# Altium PCB Core429IBaseBoardVerE.PcbDoc (part 1 of 2) (continued)
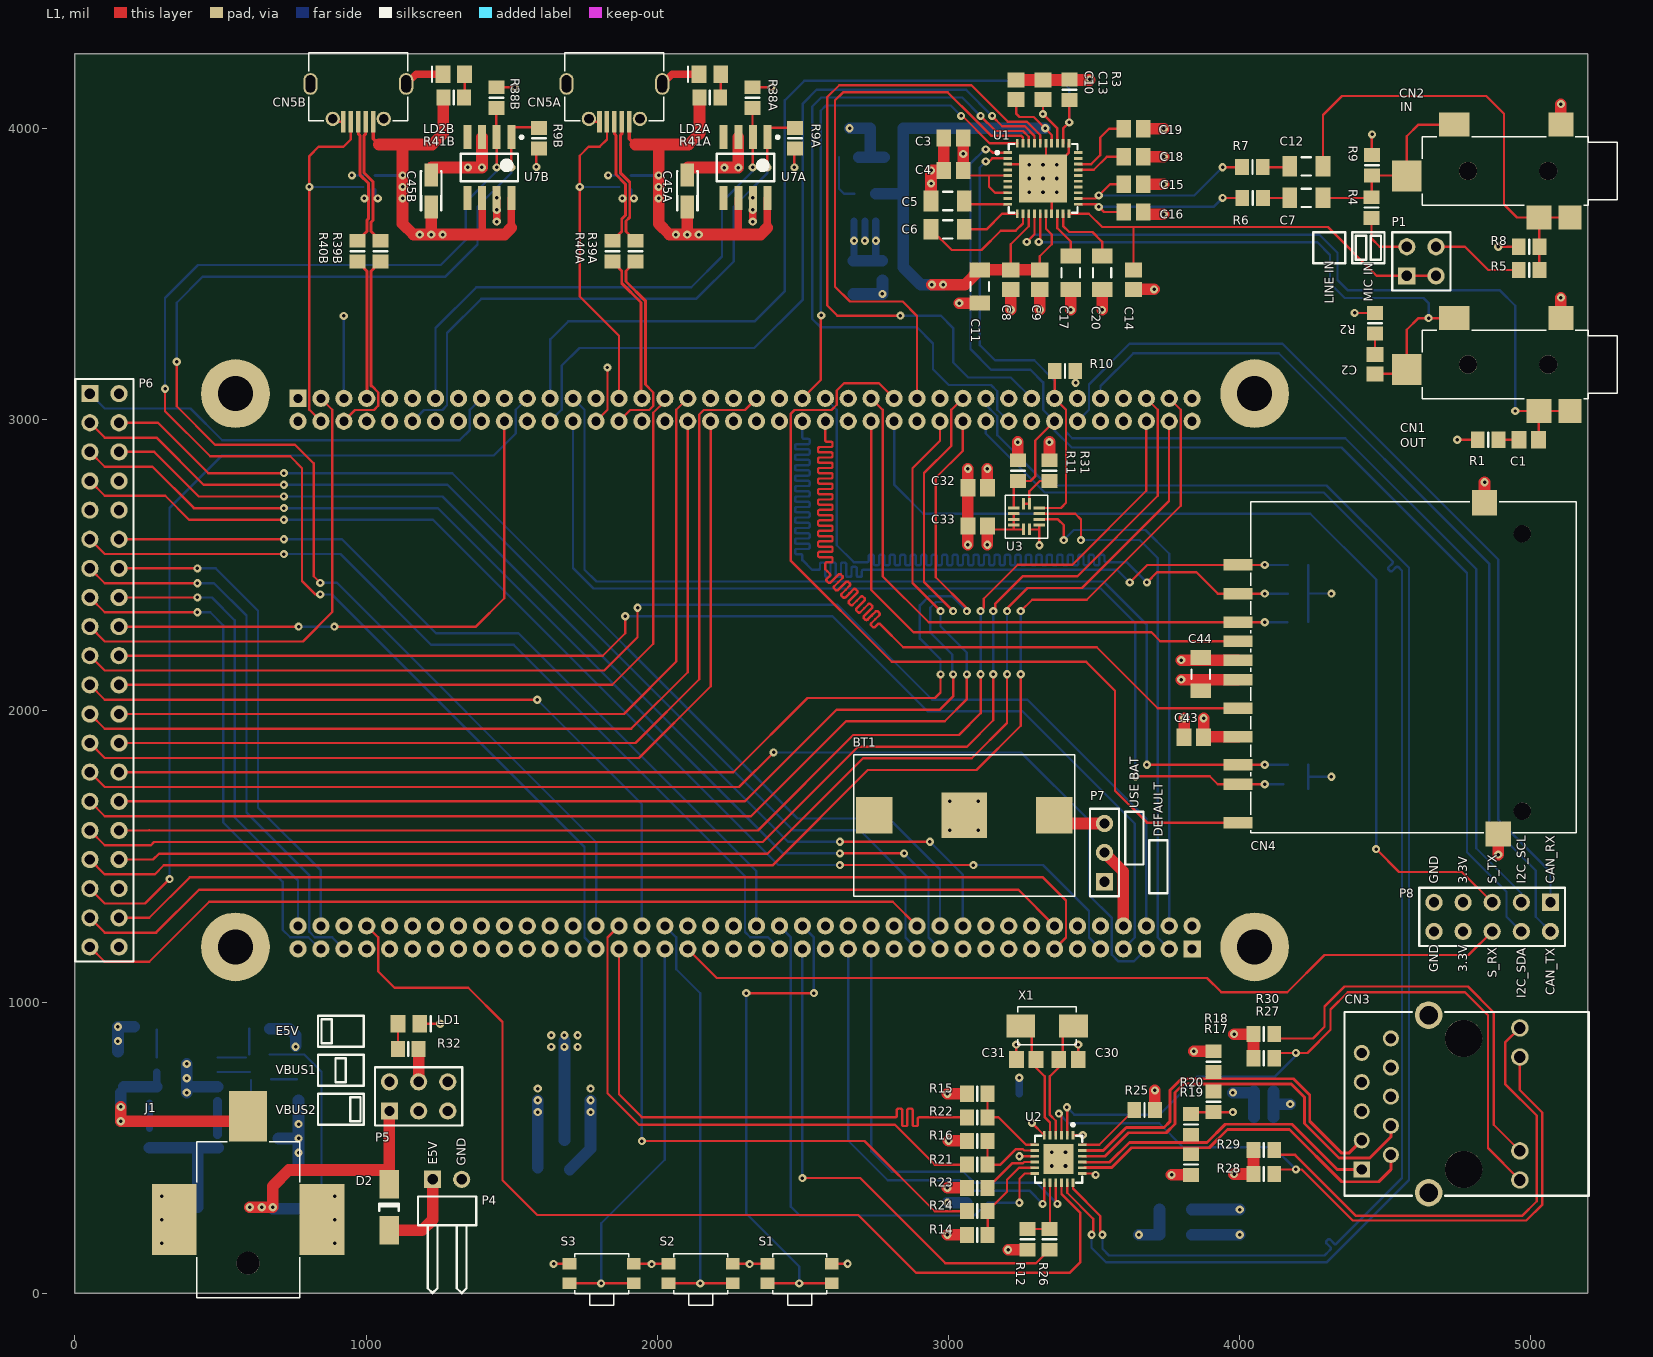
[diagram p0: L1 view]
## Components (designator, comment, footprint, x,y, rotation, side; value= is the part's Value field where it differs from the comment) (continued)
R13 "1206" RESC2012N 3098.42,311.02 r180 bottom
R14 "1206" RESC2012N 3098.43,200.79 r180 top
R15 "1206" RESC2012N 3098.43,685.04 r180 top
R16 "1206" RESC2012N 3098.43,523.62 r180 top
R17 "1206" RESC2012N 3909.45,657.48 r270 top
R18 "1206" RESC2012N 3909.45,795.28 r90 top
R19 "1206" RESC2012N 3832.68,441.93 r270 top
R20 "1206" RESC2012N 3832.68,579.72 r90 top
R21 "1206" RESC2012N 3098.66,441.73 r180 top
R22 "1206" RESC2012N 3098.66,604.21 r180 top
R23 "1206" RESC2012N 3098.66,361.73 r180 top
R24 "1206" RESC2012N 3098.66,281.73 r180 top
R25 "1206" RESC2012N 3673.23,629.92 r180 top
R26 "1206" RESC2012N 3346.46,185.04 r270 top
R27 "1206" RESC2012N 4082.68,807.09 r0 top
R28 "1206" RESC2012N 4082.68,409.45 r0 top
R29 "1206" RESC2012N 4082.68,492.13 r0 top
R30 "1206" RESC2012N 4082.68,889.76 r0 top
R31 "1206" RESC2012N 3346.46,2824.8 r270 top
R32 "1206" RESC2012N 1144.65,838.59 r0 top
R33 "1206" RESC2012N 4200.31,1733.06 r0 bottom
R34 "1206" RESC2012N 4200.31,1815.1 r0 bottom
R35 "1206" RESC2012N 4200.31,2304.95 r0 bottom
R36 "1206" RESC2012N 4200.31,2402.74 r0 bottom
R37 "1206" RESC2012N 4200.31,2500.54 r0 bottom
R38A "1206" RESC2012N 2326.82,4105.73 r270 top (schematic designator R38)
R38B "1206" RESC2012N 1447.29,4105.73 r270 top (schematic designator R38)
R39A "1206" RESC2012N 1925.3,3578.73 r270 top (schematic designator R39)
R39B "1206" RESC2012N 1049.83,3578.73 r270 top (schematic designator R39)
R40A "1206" RESC2012N 1845.3,3578.73 r270 top (schematic designator R40)
R40B "1206" RESC2012N 969.83,3578.73 r270 top (schematic designator R40)
R41A "1206" RESC2012N 2180.22,4106.52 r180 top (schematic designator R41)
R41B "1206" RESC2012N 1300.69,4106.52 r180 top (schematic designator R41)
R42 "Res" RESC2012N 633.47,820.05 r0 bottom
R43 "Res" RESC2012N 633.47,731.3 r180 bottom
R44 "Res" RESC2012N 633.47,908.8 r180 bottom
S1 "434331045822" 434331045822 2488.9,67.4 r0 top locked
S2 "434331045822" 434331045822 2148.9,67.4 r0 top locked
S3 "434331045822" 434331045822 1808.9,67.4 r0 top locked
U1 "CS42L52" QFN50P600X600X100-40M 3324.65,3828.43 r0 top
U2 "LAN8742" QFN50P400X400X100-24M 3377.95,460.63 r270 top
U3 "LIS2DH12" LGA12C50P4X4_200X200X100 3267.72,2667.32 r270 top
U4 "TPS54331" SOIC127P600X173-8M 385.28,734.54 r0 bottom
U5 "LD3985M25R" SOT95P280X145-5M 2713.07,3728.66 r90 bottom
U6 "LD1117S33TR" SOT230P700X181-4M 1680,765.04 r90 bottom
U7A "MIC2025" SOIC127P600X173-8M 2302.88,3865.73 r270 top (schematic designator U7)
U7B "MIC2025" SOIC127P600X173-8M 1423.36,3865.73 r270 top (schematic designator U7)
X1 "25MHz" QC5CB 3338.7,918.07 r180 top

## Footprints (in the part's own frame and the unit in brackets; to place one, negate y for a bottom-side part, rotate by r counter-clockwise, add the part's x,y. Pads: shape width x height; smd on the part's side, far side on the other; paste and mask are expansions set on the pad)
35RASMT4BHNTRX [mm] "3.5mm Phone Jack Surface Mount, RoHS"
  rect 2.7x2.1 smd: 1(2.975,-4.05)
  rect 2.6x2.7 smd: 1(7.125,0.45)
  rect 2x2.1 smd: 2(-7.125,4.05)
  rect 2.2x2.1 smd: 2(-4.425,4.05) 3(-6.325,-4.05)
  round 1.6 hole 1.6: ""(-5.225,0) ""(1.775,0)
  silkscreen extent -11.22,-3 5.78,3, body extent -11.22,-4.5 7.78,4.5, height 5.07
10067847 [mm] "SD Card Reader"
  rect 1x2.5 smd: 1(9.025,12.65) 2(6.525,12.65) 3(4.025,12.65) 4(-0.975,12.65) 5(-3.475,12.65) 6(-5.975,12.65) 6(0.725,12.65) 7(-8.4,12.65) 8(-10.1,12.65) 9(2.375,12.65) 10(-13.45,12.65)
  rect 2.2x2.2 smd: 6(-14.45,-10.05) 6(14.45,-8.85)
  round 1.5 hole 1.5: ""(-12.45,-12.15) ""(11.75,-12.15)
  silkscreen extent -14.35,-16.85 14.55,11.55, body extent -14.25,-17.8 14.2,12.45, height 2.92
7499110122 [mm] "LAN Transformer, body 21.3x16.04mm"
  rect 1.4x1.4 hole 0.9: 1(-5.715,9.14)
  round 1.4 hole 0.9: 2(-4.445,6.6) 3(-3.175,9.14) 4(-1.905,6.6) 5(-0.635,9.14) 6(0.635,6.6) 7(1.905,9.14) 8(3.175,6.6) 9(4.445,9.14) 10(5.715,6.6)
  round 1.52 hole 1.02: 11(-6.63,-4.65) 12(-4.09,-4.65) 13(4.09,-4.65) 14(6.63,-4.65)
  round 3.25 hole 3.25 unplated: MH1(-5.715,0.25) MH2(5.715,0.25)
  round 2.4 hole 1.6: S1(-7.745,3.3) S2(7.745,3.3)
  silkscreen extent -8.02,-10.65 8.02,10.65, body extent -8.22,-10.65 8.22,10.65, height 13.7
434331045822 [mm] "4.7*3.5mm side push type,SMD, height 1.65mm, black actuator, 220gf, T&R"
  rect 1.2x1 smd: 1(-2.8,0.85) 1(2.8,0.85) 2(-2.8,-0.85) 2(2.8,-0.85)
  silkscreen extent -2.35,-2.75 2.35,1.75, body extent -3.2,-2.75 3.2,1.75, height 1.65
CAPC2012N [mm] "Chip Capacitor, Body 2.0x1.3mm, IPC Medium Density"
  rect 1.3x1.5 smd: 1(-0.85,0) 2(0.85,0)
  body extent -1,-0.63 1,0.63, height 0.78
CAPC3216N [mm] "Chip Capacitor, Body 3.2x1.6mm, IPC Medium Density"
  rect 1.3x1.8 smd: 1(-1.45,0) 2(1.45,0)
  silkscreen extent -0.4,-0.8 0.4,0.8, body extent -1.6,-0.82 1.6,0.78, height 1
CD-DO214AC [mm] "Chip Diode; Body 5.0 x 2.5 mm (LxW typ)"
  rect 2.5x1.7 smd: 1(0,0) 2(4,0)
  silkscreen extent 1.7,-0.85 2.3,0.85, body extent -0.75,-1.4 4.75,1.4, height 2.6
CH-061D25 [mm] "DC Power Socket"
  rect 4.4x3.3 smd: 1(6.4,0)
  rect 6.2x3.9 smd: 2(-2.6,6.45) 3(-2.6,-6.45)
  round 2 hole 2: ""(-6.4,0)
  silkscreen extent -9.4,-4.5 4.2,4.5, body extent -9.3,-7.63 7.6,7.57, height 11.09
CLED2012-0805 [mm] "Chip LED; Body 2.0 x 1.3 mm (LxW typ)"
  rect 1.3x1.5 smd: 1(-0.95,0) 2(0.95,0)
  silkscreen extent 1.9,-0.65 1.9,0.65, body extent -1.06,-0.45 1.01,0.46, height 0.86
HDR1X2H [mm] "Connector; Header; 2 Position; Right Angle"
  rect 1.5x1.5 hole 0.9: 1(0,0)
  round 1.5 hole 0.9: 2(2.54,0)
  silkscreen extent -1.27,-9.92 3.81,-1.5, body extent -1.27,-10.04 3.81,0.32, height 2.56
HDR1X3 [mm] "Connector; Header; 3 Position"
  rect 1.5x1.5 hole 0.9: 1(0,0)
  round 1.5 hole 0.9: 2(2.54,0) 3(5.08,0)
  silkscreen extent -1.27,-1.27 6.35,1.27, body extent -1.27,-1.27 6.35,1.27, height 8.56
HDR2X2 [mm] "Connector; Header; 2x2 Position"
  rect 1.5x1.5 hole 0.9: 1(0,0)
  round 1.5 hole 0.9: 2(0,2.54) 3(2.54,0) 4(2.54,2.54)
  silkscreen extent -1.27,-1.27 3.81,3.81, body extent -1.27,-1.27 3.81,3.81, height 8.56
HDR2X3 [mm] "Connector; Header; 3x2 Position"
  rect 1.5x1.5 hole 0.9: 1(0,0)
  round 1.5 hole 0.9: 2(0,2.54) 3(2.54,0) 4(2.54,2.54) 5(5.08,0) 6(5.08,2.54)
  silkscreen extent -1.27,-1.27 6.35,3.81, body extent -1.27,-1.27 6.35,3.81, height 8.56
HDR2X5 [mm] "Connector; Header; 5x2 Position"
  rect 1.5x1.5 hole 0.9: 1(0,0)
  round 1.5 hole 0.9: 2(0,2.54) 3(2.54,0) 4(2.54,2.54) 5(5.08,0) 6(5.08,2.54) 7(7.62,0) 8(7.62,2.54) 9(10.16,0) 10(10.16,2.54)
  silkscreen extent -1.27,-1.27 11.43,3.81, body extent -1.27,-1.27 11.43,3.81, height 8.56
HDR2X20 [mm] "Connector; Header; 20x2 Position"
  rect 1.5x1.5 hole 0.9: 1(0,0)
  round 1.5 hole 0.9: 2(0,2.54) 3(2.54,0) 4(2.54,2.54) 5(5.08,0) 6(5.08,2.54) 7(7.62,0) 8(7.62,2.54) 9(10.16,0) 10(10.16,2.54) 11(12.7,0) 12(12.7,2.54) 13(15.24,0) 14(15.24,2.54) 15(17.78,0) 16(17.78,2.54) 17(20.32,0) 18(20.32,2.54) 19(22.86,0) 20(22.86,2.54) 21(25.4,0) 22(25.4,2.54) 23(27.94,0) 24(27.94,2.54) 25(30.48,0) 26(30.48,2.54) 27(33.02,0) 28(33.02,2.54) 29(35.56,0) 30(35.56,2.54) 31(38.1,0) 32(38.1,2.54) 33(40.64,0) 34(40.64,2.54) 35(43.18,0) 36(43.18,2.54) 37(45.72,0) 38(45.72,2.54) 39(48.26,0) 40(48.26,2.54)
  silkscreen extent -1.27,-1.27 49.53,3.81, body extent -1.39,-1.23 49.66,3.77, height 8.52
INDC2012N [mm] "Chip Inductor, Body 2.0x1.2mm, IPC Medium Density"
  rect 1.4x1.5 smd: 1(-0.9,0) 2(0.9,0)
  body extent -1,-0.65 1,0.6, height 0.78
INDP6560X45M [mm] "Precision Wire Wound Inductor, 2-Leads, Body 6,50x6,00mm, IPC Low Density"
  rect 3.1x3.25 smd: 1(-2.8,0) 2(2.8,0)
  silkscreen extent -3.45,-3.2 3.45,3.2, body extent -3.35,-3 3.35,3, height 4.6
LGA12C50P4X4_200X200X100 [mm] "LGA, 12-Leads, Body 2,00x2,00mmx1,00mm, Pitch 0,50mm"
  rect 0.25x1 smd: 1(-0.75,1.125) 4(-0.75,-1.125) 5(-0.25,-1.125) 6(0.25,-1.125) 7(0.75,-1.125) 10(0.75,1.125) 11(0.25,1.125) 12(-0.25,1.125)
  rect 1x0.25 smd: 2(-1.125,0.25) 3(-1.125,-0.25) 8(1.125,-0.25) 9(1.125,0.25)
  silkscreen extent -1.88,-1.88 1.88,1.88, body extent -1.07,-1.07 1.07,1.07, height 1
PN3000 [mm] "12mm SM Coin Cell Clip"
  rect 3.18x3.18 smd: 1(0,0) 1(15.74,0)
  rect 3.96x3.96 smd: 2(7.87,0)
  silkscreen extent -1.75,-7.07 17.5,5.28, body extent -1.6,-6.92 17.35,5.14, height 3.19
QC5CB [mm] "3.2x5.0 2-Pad SMD All Ceramic Crystal Unit"
  rect 2.5x2 smd: 1(-2.3,0) 2(2.3,0)
  silkscreen extent -2.55,-1.65 2.55,1.65, body extent -2.5,-1.6 2.5,1.6, height 1.32
QFN50P400X400X100-24M [mm] "QFN, 24-Leads, Body 4,1x4,1mm (max), Pitch 0,50mm, IPC Low Density"
  rect 0.75x0.25 smd: 1(-2.075,1.25) 2(-2.075,0.75) 3(-2.075,0.25) 4(-2.075,-0.25) 5(-2.075,-0.75) 6(-2.075,-1.25) 13(2.075,-1.25) 14(2.075,-0.75) 15(2.075,-0.25) 16(2.075,0.25) 17(2.075,0.75) 18(2.075,1.25)
  rect 0.25x0.75 smd: 7(-1.25,-2.075) 8(-0.75,-2.075) 9(-0.25,-2.075) 10(0.25,-2.075) 11(0.75,-2.075) 12(1.25,-2.075) 19(1.25,2.075) 20(0.75,2.075) 21(0.25,2.075) 22(-0.25,2.075) 23(-0.75,2.075) 24(-1.25,2.075)
  rect 2.6x2.6 smd: 25(0,0)
  silkscreen extent -3.12,-2.05 2.05,2.05, body extent -2.01,-2.01 2.01,2.01, height 1
QFN50P600X600X100-40M [mm] "QFN, 40-Leads, Body 6,0x6,0mm (max), Pitch 0,50mm, IPC Low Density"
  rect 0.75x0.25 smd: 1(-3.075,2.25) 2(-3.075,1.75) 3(-3.075,1.25) 4(-3.075,0.75) 5(-3.075,0.25) 6(-3.075,-0.25) 7(-3.075,-0.75) 8(-3.075,-1.25) 9(-3.075,-1.75) 10(-3.075,-2.25) 21(3.075,-2.25) 22(3.075,-1.75) 23(3.075,-1.25) 24(3.075,-0.75) 25(3.075,-0.25) 26(3.075,0.25) 27(3.075,0.75) 28(3.075,1.25) 29(3.075,1.75) 30(3.075,2.25)
  rect 0.25x0.75 smd: 11(-2.25,-3.075) 12(-1.75,-3.075) 13(-1.25,-3.075) 14(-0.75,-3.075) 15(-0.25,-3.075) 16(0.25,-3.075) 17(0.75,-3.075) 18(1.25,-3.075) 19(1.75,-3.075) 20(2.25,-3.075) 31(2.25,3.075) 32(1.75,3.075) 33(1.25,3.075) 34(0.75,3.075) 35(0.25,3.075) 36(-0.25,3.075) 37(-0.75,3.075) 38(-1.25,3.075) 39(-1.75,3.075) 40(-2.25,3.075)
  rect 4.2x4.2 smd: 41(0,0)
  silkscreen extent -4.12,-3 3,3, body extent -3.08,-3.09 3.08,3.07, height 1.07
RESC2012N [mm] "Chip Resistor, Body 2.0x1.3mm, IPC Medium Density"
  rect 1.2x1.4 smd: 1(-0.9,0) 2(0.9,0)
  silkscreen extent 0,-0.6 0,0.6, body extent -0.97,-0.62 1.03,0.63, height 0.62
SHDR2X40 [mm] "Connector; Header; 40x2 Position"
  rect 1.5x1.5 hole 0.79: 1(0,0)
  round 1.5 hole 0.79: 2(0,2) 3(2,0) 4(2,2) 5(4,0) 6(4,2) 7(6,0) 8(6,2) 9(8,0) 10(8,2) 11(10,0) 12(10,2) 13(12,0) 14(12,2) 15(14,0) 16(14,2) 17(16,0) 18(16,2) 19(18,0) 20(18,2) 21(20,0) 22(20,2) 23(22,0) 24(22,2) 25(24,0) 26(24,2) 27(26,0) 28(26,2) 29(28,0) 30(28,2) 31(30,0) 32(30,2) 33(32,0) 34(32,2) 35(34,0) 36(34,2) 37(36,0) 38(36,2) 39(38,0) 40(38,2) 41(40,0) 42(40,2) 43(42,0) 44(42,2) 45(44,0) 46(44,2) 47(46,0) 48(46,2) 49(48,0) 50(48,2) 51(50,0) 52(50,2) 53(52,0) 54(52,2) 55(54,0) 56(54,2) 57(56,0) 58(56,2) 59(58,0) 60(58,2) 61(60,0) 62(60,2) 63(62,0) 64(62,2) 65(64,0) 66(64,2) 67(66,0) 68(66,2) 69(68,0) 70(68,2) 71(70,0) 72(70,2) 73(72,0) 74(72,2) 75(74,0) 76(74,2) 77(76,0) 78(76,2) 79(78,0) 80(78,2)
  silkscreen extent -0.92,-0.92 78.92,2.92, body extent -1.25,-1.23 79.25,3.27, height 4.02
SOIC127P600X173-8M [mm] "SOIC, 8-Leads, Body 5,0x4,0mm (max), Pitch 1,27mm, IPC Low Density"
  rect 2.1x0.7 smd: 1(-2.65,1.905) 2(-2.65,0.635) 3(-2.65,-0.635) 4(-2.65,-1.905) 5(2.65,-1.905) 6(2.65,-0.635) 7(2.65,0.635) 8(2.65,1.905)
  silkscreen extent -2.77,-2.5 1.2,2.93, body extent -3.02,-2.53 3.06,2.46, height 1.75
SON50P100X60-6M [mm] "SON, 6-Leads, Body 1,45x1,00mm, Pitch 0,50mm, IPC Low Density"
  rect 0.85x0.2 smd: 1(-0.49,0.5) 2(-0.49,0) 3(-0.49,-0.5) 4(0.49,-0.5) 5(0.49,0) 6(0.49,0.5)
  silkscreen extent -0.97,-0.9 0.53,0.95, body extent -0.58,-0.75 0.57,0.75, height 0.6
SOT95P280X145-5M [mm] "SOT23, 5-Leads, Body 3,0x3,0mm (max), Pitch 0,95mm, IPC Low Density"
  rect 1.3x0.7 smd: 1(-1.2,0.95) 2(-1.2,0) 3(-1.2,-0.95) 4(1.2,-0.95) 5(1.2,0.95)
  silkscreen extent -1.32,-1.5 0.15,1.98, body extent -1.48,-1.49 1.52,1.51, height 1.45
SOT230P700X181-4M [mm] "SOT223, 4-Leads, Body 6,7x7,3mm (max), Pitch 2,30mm, IPC Low Density"
  rect 3.4x0.95 smd: 1(-2.6,2.3) 2(-2.6,0) 3(-2.6,-2.3)
  rect 3.4x3.3 smd: 4(2.6,0)
  silkscreen extent -2.72,-3.35 0.5,3.45, body extent -3.46,-3.23 3.5,3.27, height 1.7
TC3216-1206 [mm] "Capacitor, SM Tantalum; Body 3.2 x 1.6 mm (LxW typ)"
  rect 2x1.2 smd: 1(-1.4,0) 2(1.4,0)
  silkscreen extent -1.7,-0.9 1.7,0.9, body extent -1.7,-0.82 1.69,0.78, height 1.67
ZX62RD-AB-5P8 [mm] "USB Micro AB - Standard (Bottom mount), Shell through hole"
  rect 0.4x1.85 smd: 1(-1.3,1.775) 2(-0.65,1.775) 3(0,1.775) 4(0.65,1.775) 5(1.3,1.775)
  round 1.25 hole 0.85: 6(-2.225,1.525) 7(2.225,1.525)
  oval 1.25x1.9 hole 0.85 slot 1.5 at 90 deg: 8(-4.175,-1.525) 9(4.175,-1.525)
  silkscreen extent -4.32,-4.23 4.33,1.68, body extent -4.32,-4.22 4.33,1.67, height 2.79

## Part data
BT1: "Multicell Battery"
C1 C2 C3 C4 C5 C6 C7 C8 C9 C10 C11 C12 C13 C14 C15 C16 C17 C18 C19 C20 C21 C22 C23 C24 C25 C26 C28 C30 C31 C32 C33 C34 C35 C36 C37 C38 C39 C40 C43 C44 C46 C47 C48 C49: "Capacitor"
C27 C29 C41 C42 C45A C45B: "Polarized Capacitor"
CN1 CN2: library part Phonejack3, "3.5mm Stereo Jack"
CN3: "LAN-Transformer WE-RJ45LAN 10/100/1000 BaseT"
CN4: library part SD, "SD Card Reader"
CN5A CN5B: "Micro-USB connectors meeting USB 2.0 Standard"
D1 D2: library part Diode, "Default Diode"
D3A D3B: "4-Channel ESD Solution for USB-HS/USB OTG/USB Charger Interface"
J1: library part PWR2.5, "Low Voltage Power Supply Connector"
LD1 LD2A LD2B: library part LED, "Light emitting diode"
P1: "Header, 2-Pin, Dual row"
P2 P3: "Header, 40-Pin, Dual row"
P4: "Header, 2-Pin"
P5: "Header, 3-Pin, Dual row"
P6: "Header, 20-Pin, Dual row"
P7: "Header, 3-Pin"
P8: "Header, 5-Pin, Dual row"
R1 R2 R3 R4 R5 R6 R7 R8 R9 R12 R13 R14 R15 R16 R17 R18 R19 R20 R21 R22 R23 R24 R25 R26 R27 R28 R29 R30 R31 R32 R33 R34 R35 R36 R37 R38A R38B R39A R39B R40A R40B R41A R41B: library part Res, "Resistor"
R9A R9B R10 R11 R42 R43 R44: "Resistor"
S1 S2 S3: library part SW-PB, "Momentary Push Button"
U1: "Low-power, Stereo CODEC w/ Headphone & Speaker Amps"
U2: "Small Footprint RMII 10/100 Ethernet Transceiver with HP Auto-MDIX and flexPWR Technology"
U3: "MEMS digital output motion sensor ultra-low-power high-performance 3-axis \"femto\" accelerometer"
U4: "3-A, 28-V Input, Step Down DC-DC Converter With Eco-mode"
U5: library part LD3985M, "Ultra low drop-low noise BiCMOS voltage  regulators low ESR capacitors compatible"
U6: library part LD1117S, "Adjustable and fixed low drop positive voltage regulator"
U7A U7B: "Single-Channel Power Distribution Switch MM8"
X1: library part XTAL, "Crystal Oscillator"

## Free pads (board coordinates)
  round 236.22 hole 120.08 unplated: MH(551.18,1189.37) MH(551.18,3089.37) MH(4051.18,1189.37) MH(4051.18,3089.37)

## Via types
v1: diameter 28, hole 12, L1 to L4, tented both sides, 215 vias
v2: diameter 28, hole 12, L1 to L4, 21 vias
v3: diameter 25.98, hole 12.99, L1 to L4, tented top, 13 vias

## Nets (pads, with @x,y where several pads share a name; then routed paths per layer and width w, separated by ;. In a path a pad name is that pad's centre, name@x,y a point inside that pad or via, vN(x,y) a via of type N, cw(c..) or ccw(c..) an arc to the next point about the centre after c; other vN are vias at no path point)
2.5V: C8.2 C9.2 C10.2 C11.2 C39.2 C40.2 U1.13 U1.16 U1.34 U5.5 | length 2277.3
  L1 w8: C8.2@3213.82,3514.49 3213.82,3602.6 3275.43,3664.21 U1.13@3275.43,3707.36 ; C10.2@3232.09,4099.45 3232.09,4051.38 3244.09,4039.37 3292.36,4039.37 3354.17,3977.56 U1.34@3354.17,3949.49 ; C9.2@3313.5,3514.49 3313.5,3561.54 3354.33,3602.36 3354.33,3635.83 3334.49,3655.67 U1.16@3334.49,3707.36
  L1 w40: v1(2942.91,3463.78) v1(2981.3,3463.78) 3056.53,3463.78 C11.2@3107.16,3514.41 ; C11.2@3106.3,3514.49 C8.2@3213.82,3514.49 C9.2@3313.5,3514.49
  L4 w40: U5.5@2750.47,3775.91 2844.96,3775.91 ; v1(2981.3,3463.78) v1(2942.91,3463.78) 2904.8,3463.78 2844.96,3523.62 2844.96,3775.91 ; v1(3332.02,4000.63) C39.2@2844.96,4000.63 2844.96,3775.91
3.3V: C3.1 C4.1 C13.2 C28.2 C29.1 C32.2 C33.2 C42.1 C43.2 C44.2 CN4.4 L1.2 P7.1 P8.7 P8.8 R10.1 R11.2 R12.2 R13.2 R14.2 R15.2 R16.2 R31.1 R33.2 R34.2 R35.2 R36.2 R37.2 R38A.1 R38B.1 U1.5 U1.8 U1.33 U2.9 U3.9 U3.10 U6.2 U6.4 | length 2749.5
  L1 w8: R38B.1@1447.29,4141.16 v1(1510.83,4141.16) ; R38A.1@2326.82,4141.16 v1(2391.73,4141.16) ; C4.1@3050.2,3838.27 3138.78,3838.27 ; U1.8@3203.58,3779.21 3159.76,3779.21 3138.78,3800.2 3138.78,3838.27 ; U1.5@3203.58,3838.27 3138.78,3838.27 ; v1(3243.66,470.47) U2.9@3296.26,470.47 ; U3.9@3277.56,2623.03 3310.04,2623.03 ; v1(3312.01,2568.9) U3.10@3312.01,2637.8 ; C13.2@3324.33,4099.45 v1(3324.33,4049.68) 3373.86,4000.16 U1.33@3373.86,3949.49
  L1 w40: v1(2996.06,200.79) R14.2@3062.99,200.79 ; v1(2996.06,685.04) R15.2@3062.99,685.04 ; v1(3000,523.62) R16.2@3062.99,523.62 ; C4.1@3050.39,3856.12 C3.1@3050.39,3967.4 ; v1(3066.54,2570.32) C33.2@3066.54,2635.28 C32.2@3066.54,2766.46 v1(3066.54,2831.42) ; v1(3204.72,149.61) R12.2@3271.65,149.61 ; R11.2@3238.19,2860.24 v1(3238.19,2923.23) ; R31.1@3346.46,2860.24 v1(3346.46,2923.23) ; v1(3799.21,2107.35) CN4.4@3994.11,2107.35 ; C43.2@3809.06,1909.45 v1(3809.06,1974.41)
  L4 w8: R33.2@4235.75,1733.06 R34.2@4235.75,1815.1 ; 4235.75,1773.62 v1(4314.96,1773.62) ; R35.2@4235.75,2304.95 R36.2@4235.75,2402.74 ; R37.2@4235.75,2500.54 R36.2@4235.75,2402.74 ; v1(4314.86,2402.74) R36.2@4235.75,2402.74
  L4 w40: C42.1@1680.94,525.04 U6.4@1680.94,866.46 ; v1(2996.06,311.02) R13.2@3062.99,311.02 ; C29.1@3834.65,200.79 v1(4000,200.79)
  other v1: 3436.02,3126.97 3050.39,3912.4
  other v2: 1635.67,845.79 1680.94,845.79 1726.22,845.79 1635.67,886.14 1680.94,886.14 1726.22,886.14
3.3V_CORE: P2.39 P2.41 P2.79 P3.1 P3.37 P3.39
5V: C36.2 C37.2 C41.1 P2.2 P3.80 P5.2 P5.4 P5.6 P6.2 R32.2 U5.1 U5.3 U6.3 U7A.7 U7B.7 | length 873.8
  L1 w25: v1(1448.36,3680.12) v1(1448.36,3761.4) ; v1(2327.88,3680.12) v1(2327.88,3761.4)
  L1 w40: P5.4@1180.3,726.15 R32.2@1180.3,838.38
  L4 w25: C36.2@2675.67,3548.35 U5.3@2675.67,3681.42 ; C37.2@2750.47,3545.75 U5.1@2750.47,3681.42
  L4 w40: C41.1@1589.45,432.09 v2(1589.45,662.68) ; C36.2@2673.07,3545.75 C37.2@2772.76,3545.75
  other v1: 2675.67,3614.17 2750.47,3614.17 1448.36,3720.47 2327.88,3720.47
  other v2: 1589.45,622.32 1589.45,703.03
A_NRST: P3.23 R3.2 U1.32 | length 3020.2
  L1 w8: U1.32@3393.54,3949.49 3393.54,3999.84 v1(3414.61,4020.91) R3.2@3414.61,4097.48
  L4 w8: P3.23@1631.89,3073.23 1631.89,3275.59 1693.9,3337.6 2333.66,3337.6 2437.99,3441.93 2437.99,4096.72 2504.89,4163.62 3387.8,4163.62 3414.61,4136.81 v1(3414.61,4020.91)
ACC_INT1: P2.3 U3.12 | length 1869.4
  L1 w8: U3.12@3312.01,2677.17 3435.04,2677.17 3454.72,2657.48 v1(3454.72,2586.61)
  L4 w8: v1(3454.72,2586.61) 3656.5,2586.61 3718.5,2524.6 3718.5,1222.05 P2.3@3757.87,1182.68
ACC_INT2: P2.4 U3.11 | length 1831.5
  L1 w8: U3.11@3312.01,2657.48 3375.98,2657.48 3395.67,2637.8 v1(3395.67,2586.61)
  L4 w8: v1(3395.67,2586.61) 3430.12,2621.06 3676.36,2621.06 3758.05,2539.37 3758.13,2539.37 P2.4@3758.13,1261.42
BOOT0: P3.69
BTN1: P2.36 S1.2 | length 1772.1
  L1 w8: v1(2305.12,1030.51) v1(2537.54,1030.51) ; S1.2@2378.66,33.94 v1(2487.09,33.94) S1.2@2599.14,33.94
  L4 w8: v1(2305.12,1030.51) 2305.12,273.62 2487.09,91.65 v1(2487.09,33.94) ; P2.36@2498.03,1261.42 2537.54,1221.91 v1(2537.54,1030.51)
BTN2: P2.48 S2.2 | length 1498.3
  L1 w8: S2.2@2038.66,33.94 v1(2147.09,33.94) S2.2@2259.14,33.94
  L4 w8: P2.48@2025.59,1261.42 2064.82,1222.19 2064.82,1112.35 2147.09,1030.08 v1(2147.09,33.94)
BTN3: P2.47 S3.2 | length 1459.7
  L1 w8: S3.2@1698.66,33.94 v1(1807.09,33.94) S3.2@1919.14,33.94
  L4 w8: v1(1807.09,33.94) 1807.09,240.16 2025.59,458.66 P2.47@2025.59,1182.68
CAN1_RX: P3.70 P8.1 | length 3164.2
  L4 w8: P3.70@3442.91,2994.49 3482.28,3033.86 3482.28,3121.04 3621.59,3260.35 4147.11,3260.35 4888.3,2519.16 4888.3,1625.48 5066.93,1446.85 P8.1@5066.93,1342.52
CAN1_TX: P3.71 P8.2 | length 3073.3
  L4 w8: P3.71@3521.65,3073.23 3521.65,3115.16 3634.84,3228.35 4133.86,3228.35 4856.3,2505.91 4856.3,1612.23 5016.73,1451.79 5016.73,1292.72 P8.2@5066.93,1242.52
DGND: BT1.2 C3.2 C4.2 C5.1 C8.1 C9.1 C10.1 C11.1 C13.1 C14.2 C15.2 C16.2 C17.1 C18.1 C19.1 C20.1 C21.1 C22.1 C23.1 C24.1 C25.1 C26.1 C27.2 C28.1 C29.2 C30.1 C31.1 C32.1 C33.1 C34.1 C35.1 C36.1 C37.1 C38.1 C39.1 C40.1 C41.2 C42.2 C43.1 C44.1 C45A.2 C45B.2 C46.1 C47.1 C48.1 CN1.3 CN2.3 CN3.S1 CN3.S2 CN4.6 CN5A.5 CN5A.6 CN5A.7 CN5A.8 CN5A.9 CN5B.5 CN5B.6 CN5B.7 CN5B.8 CN5B.9 D1.1 D3A.4 D3B.4 J1.2 J1.3 LD1.2 LD2A.2 LD2B.2 P2.1 P2.42 P2.44 P3.2 P3.40 P3.42 P3.79 P4.2 P6.8 P6.40 P8.9 P8.10 R1.2 R2.2 R3.1 R8.1 R9.1 R9A.2 R9B.2 R23.2 R25.1 R27.1 R28.1 R29.1 R30.1 R44.1 S1.1 S2.1 S3.1 U1.3 U1.17 U1.31 U1.35 U1.41 U2.25 U3.5 U3.6 U3.7 U3.8 U4.7 U5.2 U6.1 U7A.3 U7B.3 | length 6552.7
  L1 w8: LD1.2@1184.05,925.51 v1(1254.41,925.51) ; v1(1584.65,3868.11) R9B.2@1584.65,3926.26 ; v1(1643.7,100.87) S3.1@1698.66,100.87 ; S3.1@1919.14,100.87 S2.1@2038.66,100.87 ; S2.1@2259.14,100.87 S1.1@2378.66,100.87 ; v1(2470.47,3866.06) R9A.2@2470.47,3924.21 ; S1.1@2599.14,101.38 v1(2653.55,101.38) ; C33.1@3154.53,2623.03 U3.8@3257.87,2623.03 ; U1.3@3203.58,3877.64 U1.41@3250.63,3877.64 ; 3223.43,2625 U3.5@3223.43,2677.17 ; v1(3232.28,853.7) 3232.83,853.15 C31.1@3232.83,803.03 ; U1.41@3334.49,3902.44 U1.35@3334.49,3949.49 ; U1.17@3354.17,3707.36 U1.41@3354.17,3754.41 ; U1.41@3397.72,3901.5 3413.23,3917.01 U1.31@3413.23,3949.49 ; C30.1@3445.43,803.03 v1(3445.43,853.7) ; v1(4394.37,3366.38) R2.2@4464.17,3366.38 ; R9.1@4453.78,3909.29 4453.78,3979.09 v1(4454.33,3979.65) ; v1(4747.13,2930.94) R1.2@4817.48,2930.94 ; v1(4887.99,3593.86) R8.1@4958.35,3593.86
  L1 w10: CN5B.7@895.22,4023.1 CN5B.5@921.79,4023.1 ; CN5A.7@1774.75,4023.1 CN5A.5@1801.32,4023.1
  L1 w25: CN5B.8@1137.35,4153.02 1170.85,4186.52 LD2B.2@1263.29,4186.52 ; CN5A.8@2016.87,4153.02 2050.38,4186.52 LD2A.2@2142.82,4186.52
  L1 w39.37: v1(3875.98,1974.41) 3875.98,1910.5 CN4.6@3994.11,1910.5
  L1 w40: C45B.2@1224.41,3866.14 v1(1397.64,3866.14) U7B.3@1397.64,3970.06 ; C45A.2@2105.05,3865.73 v1(2278.28,3865.73) U7A.3@2278.28,3969.65 ; C5.1@2939.84,3750.75 v1(2939.84,3856.12) C4.2@2983.46,3856.12 C3.2@2983.46,3967.4 ; v1(2996.3,361.73) R23.2@3063.23,361.73 ; v1(3036.81,3400.24) C11.1@3107.16,3400.24 ; v1(3133.46,2570.32) C33.1@3133.46,2635.28 ; C32.1@3133.46,2766.46 v1(3133.46,2831.42) ; v1(3213.82,3377.2) C8.1@3213.82,3447.56 ; C10.1@3232.09,4166.38 v1@3484.96,4166.38 ; v1(3313.5,3377.2) C9.1@3313.5,3447.56 ; v1(3419.61,3376.89) C17.1@3419.61,3447.24 ; v1(3527.48,3376.89) C20.1@3527.48,3447.24 ; C14.2@3635.35,3447.56 v1(3705.71,3447.56) ; C16.2@3668.5,3705.12 v1(3738.86,3705.12) ; C15.2@3668.5,3808.74 v1(3738.86,3808.74) ; C18.1@3668.5,3903.07 v1(3738.86,3903.07) ; C19.1@3668.5,3998.82 v1(3738.86,3998.82) ; R25.1@3708.66,629.92 v1(3708.66,696.85) ; v1(3799.21,2174.28) CN4.6@3994.11,2174.28 ; v1(3980.32,409.45) R28.1@4047.24,409.45 R29.1@4047.24,492.13 ; v1(3980.32,889.76) R30.1@4047.24,889.76 R27.1@4047.24,807.09 ; CN4.6@4840.57,2714.63 v1(4840.57,2784.99) ; v1(4887.81,1506.48) CN4.6@4887.81,1576.84 ; CN1.3@5102.79,3348.66 v1(5102.79,3419.02) ; CN2.3@5102.79,4013.31 v1(5102.79,4083.66)
  L4 w8: v1(951.18,3838.58) D3B.4@990.16,3838.58 ; v1(1830.71,3838.58) D3A.4@1869.68,3838.58
  L4 w25: v1(2713.07,3614.17) U5.2@2713.07,3681.42 ; C24.1@3242.83,685.31 v1(3242.83,740.16)
  L4 w40: C34.1@147.64,830.28 v1(147.64,866.14) v1(147.64,915.35) C35.1@203.21,915.35 ; v1(383.86,688.98) v1(383.86,738.19) v1(383.86,787.4) ; 393.7,709.54 U4.7@489.61,709.54 ; R44.1@668.91,908.8 734.9,908.8 757.87,885.83 v1@757.87,849.05 ; D1.1@698.82,531.5 v1(767.72,531.5) ; 767.72,433.07 v1(767.72,482.28) v1(767.72,531.5) ; C46.1@767.72,662.74 v1(767.72,580.71) v1(767.72,531.5) ; C41.2@1699.06,425.04 1770.55,496.54 v2(1770.55,662.68) ; v1(2660.43,4000.63) C39.1@2730.79,4000.63 2730.79,3900.63 ; C36.1@2673.07,3431.57 v1(2773.07,3431.57) C37.1@2773.07,3479.13 ; C38.1@2691.89,3900.63 C40.1@2778.35,3900.63 ; v1(3653.54,200.79) C29.2@3724.41,200.79 C27.2@3724.41,287.4 ; v1(3976.38,688.98) C21.1@4049.21,688.98 ; C22.1@4049.21,604.92 C21.1@4049.21,692.91
  other v1: 1980.32,100.39 2316.93,100.39 757.87,846.46 3003.94,1590.55 3102.36,1590.55 3003.94,1688.98 3102.36,1688.98 2939.84,3811.02 2230.05,3865.73 1349.41,3866.14 3484.96,4168.35
  other v2: 297.4,172.36 891.89,172.36 297.4,253.07 891.89,253.07 297.4,333.78 891.89,333.78 1770.55,622.32 1770.55,703.03
  other v3: 3354.33,437.01 3401.57,437.01 3354.33,484.25 3401.57,484.25 3277.4,3781.18 3324.65,3781.18 3371.89,3781.18 3277.4,3828.43 3324.65,3828.43 3371.89,3828.43 3277.4,3875.67 3324.65,3875.67 3371.89,3875.67
E5V: C47.2 D2.2 L2.2 P5.1 R42.2 | length 1625.2
  L1 w40: v2(600.39,295.28) v2(641.73,295.28) v2(679.13,295.28) 679.13,367.94 734.42,423.23 D2.2@1078.74,423.23 ; D2.2@1078.74,374.02 P5.1@1078.74,624.6
  L4 w8: R42.2@668.91,820.05 787.4,820.05 846.46,760.99 846.46,357.28 C47.2@779.7,290.52
  L4 w40: L2.2@679.13,290.52 C47.2@779.7,290.52
I2C1_SCL: P3.67 P8.3 R10.2 U1.2 U3.1 | length 4599.2
  L1 w8: v1(3127.95,3886.81) 3139.76,3886.81 3150.28,3897.32 U1.2@3203.58,3897.32 ; U3.1@3312.01,2696.85 3385.83,2696.85 3403.54,2714.57 3403.54,3033.86 P3.67@3364.17,3073.23 R10.2@3364.17,3167.01
  L4 w8: v1(3127.95,3886.81) 3107.28,3866.14 3107.28,3255.91 3159.45,3203.74 3294.29,3203.74 3364.17,3133.86 P3.67@3364.17,3073.23 3403.54,3033.86 3403.54,2957.68 3424.69,2936.53 4362.66,2936.53 4812.51,2486.68 4812.51,1528.04 4966.93,1373.62 P8.3@4966.93,1342.52
I2C1_SDA: P3.68 P8.4 R11.1 U1.1 U3.4 | length 4555.8
  L1 w8: v1(3127.95,3928.15) 3139.76,3928.15 3150.91,3917.01 U1.1@3203.58,3917.01 ; U3.4@3223.43,2696.85 R11.1@3223.43,2774.61 ; R11.1@3238.19,2789.37 3281.5,2789.37 3297.24,2805.12 3297.24,2927.56 P3.68@3364.17,2994.49
  L4 w8: v1(3127.95,3928.15) 3124.04,3928.15 3075.28,3879.4 3075.28,3242.65 3146.19,3171.74 3281.04,3171.74 3324.8,3127.97 3324.8,3033.86 P3.68@3364.17,2994.49 3364.17,2963.11 3422.75,2904.53 4349.41,2904.53 4780.51,2473.43 4780.51,1514.78 4916.34,1378.96 4916.34,1293.11 P8.4@4966.93,1242.52
I2S3_CLK: P3.64 U1.38 | length 2473.4
  L1 w8: v1(3110.24,4043.31) 3162.17,3991.37 3255.74,3991.37 3275.43,3971.68 U1.38@3275.43,3949.49
  L4 w8: v1(3110.24,4043.31) 3047.24,4106.3 2562.99,4106.3 2531.5,4074.8 2531.5,3346.46 2560.04,3317.91 2890.75,3317.91 2946.85,3261.81 2946.85,3173.23 3000.98,3119.09 3145.67,3119.09 3167.32,3097.44 3167.32,3033.86 P3.64@3206.69,2994.49
I2S3_MCK: P3.24 U1.37 | length 2707.9
  L1 w8: v1@3149.01,4042.71 3184.34,4007.37 3262.37,4007.37 3295.12,3974.62 U1.37@3295.12,3949.49
  L4 w8: P3.24@1631.89,2994.49 1671.26,3033.86 1671.26,3185.04 1732.28,3246.06 2332.68,3246.06 2499.75,3413.13 2499.75,4085.37 2547,4132.62 3060.29,4132.62 v1(3149.61,4043.31)
I2S3_SDI: P3.55 U1.39 | length 1986.6
  L1 w8: P3.55@2891.73,3073.23 2891.73,3356.3 2842.52,3405.51 2661.42,3405.51 2610.24,3456.69 2610.24,4096.73 2637.53,4124.02 2997.05,4124.02 3087.24,4033.83 ; 3087.24,4033.78 3145.65,3975.37 3249.11,3975.37 3255.75,3968.74 U1.39@3255.75,3949.49
I2S3_WS: P3.45 U1.40 | length 1748.6
  L1 w8: P3.45@2498.03,3073.23 2561.02,3136.22 v1@2561.02,3358.27 ; v1@3045.28,4045.28 3141.06,3949.49 U1.40@3236.06,3949.49
  L4 w8: v1@2561.02,3358.27 2561.02,4061.02 2578.74,4078.74 3007.87,4078.74 v1(3043.31,4043.31)
  other v1: 2562.99,3358.27
I2S3EXT_SDO: P3.65 U1.36 | length 2466
  L1 w8: v1(2834.65,3357.28) 2618.11,3357.28 2583.63,3391.77 2583.63,4107.75 2624.5,4148.62 3078.51,4148.62 3203.76,4023.37 3269,4023.37 3314.8,3977.56 U1.36@3314.8,3949.49
  L4 w8: v1(2834.65,3357.28) 2973.43,3357.28 3015.75,3314.96 3015.75,3196.85 3067.91,3144.69 3213.98,3144.69 P3.65@3285.43,3073.23
LCD_BL: P2.9 P6.7 | length 4189.3
  L1 w8: P6.7@51.18,2789.37 102.17,2738.39 309.84,2738.39 391.94,2656.28 v1(717.52,2656.28) ; v1(2626.97,1470.47) v1(3085.63,1470.47)
  L4 w8: v1(717.52,2656.28) 1229.54,2656.28 2415.35,1470.47 v1(2626.97,1470.47) ; v1(3085.63,1470.47) 3324.8,1470.47 3482.28,1312.99 3482.28,1222.05 P2.9@3521.65,1182.68
LTDC_B0: P2.5 P6.27 | length 4237.6
  L1 w8: P6.27@51.18,1789.37 102.17,1738.39 2280.51,1738.39 v1(2399.41,1857.28)
  L4 w8: v1(2399.41,1857.28) 3249.02,1857.28 3482.28,1624.02 3482.28,1367.13 3561.02,1288.39 3561.02,1162.4 3583.66,1139.76 3636.22,1139.76 P2.5@3679.13,1182.68
LTDC_B1: P3.60 P6.28 | length 4184.4
  L1 w8: P6.28@151.18,1789.37 2260.83,1789.37 2515.75,2044.29 2953.74,2044.29 2972.44,2062.99 v1(2972.44,2125) ; P3.60@3049.21,2994.49 3049.21,2893.43 2955.98,2800.2 2955.98,2458.85 v1@3062.99,2351.84
  L4 w8: v1(2972.44,2125) 2972.44,2177.17 2901.57,2248.03 2901.57,2362.2 2933.07,2393.7 3011.81,2393.7 v1(3062.99,2342.52)
LTDC_B2: P3.58 P6.29 | length 4270.1
  L1 w8: P6.29@51.18,1689.37 102.17,1638.39 2321.85,1638.39 2647.76,1964.29 2986.88,1964.29 3062.99,2040.41 v1(3062.99,2125) ; P3.58@2970.47,2994.49 2970.47,2927.82 2875.98,2833.33 2875.98,2438.98 v1(2972.44,2342.52)
  L4 w8: v1(2972.44,2342.52) 2972.44,2290.3 3062.99,2199.75 v1(3062.99,2125)
LTDC_B3: P3.59 P6.30 | length 4278.2
  L1 w8: P6.30@151.18,1689.37 2301.18,1689.37 2616.1,2004.29 2970.31,2004.29 3015.75,2049.73 v1(3015.75,2125) ; v1(3015.75,2342.52) 2915.98,2442.28 2915.98,2816.77 3009.84,2910.62 3009.84,3033.86 P3.59@3049.21,3073.23
  L4 w8: v1(3015.75,2125) 3012.44,2128.31 3012.44,2193.73 2937.01,2269.17 2937.01,2354.33 2956.69,2374.02 2984.25,2374.02 v1(3015.75,2342.52)
LTDC_B4: P3.75 P6.31 | length 4757
  L1 w8: P6.31@51.18,1589.37 102.17,1538.39 260.7,1538.39 271.88,1549.57 1792.32,1549.57 1792.52,1549.37 2361.84,1549.37 2689.51,1877.04 3063.11,1877.04 3153.54,1967.47 v1(3153.54,2125.98) ; v1@3160.79,2349.76 3160.79,2368.41 3254.26,2461.89 3441.77,2461.89 3718.5,2738.63 3718.5,3033.86 P3.75@3679.13,3073.23
  L4 w8: v1(3153.54,2125.98) v1(3153.54,2342.52)
LTDC_B5: P3.76 P6.32 | length 4474.3
  L1 w8: P6.32@151.18,1589.37 255.12,1589.37 ; 255.31,1589.57 255.12,1589.37 ; v1(3110.24,2125.98) 3110.24,1991.55 3035.72,1917.04 2672.94,1917.04 2345.28,1589.37 255.12,1589.37 ; v1(3110.24,2342.52) 3120.79,2353.07 3120.79,2384.98 3237.7,2501.89 3425.2,2501.89 3679.13,2755.83 P3.76@3679.13,2994.49
  L4 w8: v1(3110.24,2125.98) v1(3110.24,2342.52)
LTDC_B6: P3.77 P6.33 | length 4907.5
  L1 w8: P6.33@51.18,1489.37 102.17,1438.39 273.84,1438.39 305.02,1469.57 1792.32,1469.57 1792.52,1469.37 2394.98,1469.37 2722.65,1797.04 3096.25,1797.04 3248.03,1948.82 v1(3248.03,2125.98) ; v1(3248.03,2342.52) 3287.4,2381.89 3474.9,2381.89 3797.17,2704.15 3797.17,3033.94 P3.77@3757.87,3073.23
  L4 w8: v1(3248.03,2125.98) v1(3248.03,2342.52)
LTDC_B7: P3.78 P6.34 | length 4611.6
  L1 w8: P6.34@151.18,1489.37 268.26,1489.37 288.45,1509.57 1792.32,1509.57 1792.52,1509.37 2378.41,1509.37 2706.08,1837.04 3079.68,1837.04 3200.79,1958.14 v1(3200.79,2125.98) ; v1@3200.79,2351.84 3270.83,2421.89 3458.33,2421.89 3757.17,2720.72 3757.17,2993.78 P3.78@3757.87,2994.49
  L4 w8: v1(3200.79,2125.98) v1(3200.79,2342.52)
LTDC_CLK: P3.21 P6.35 | length 3035.8
  L1 w8: P6.35@51.18,1389.37 102.17,1338.39 240.94,1338.39 v1(324.8,1422.24)
  L4 w8: v1(324.8,1422.24) 324.8,2696.85 504.92,2876.97 1437.99,2876.97 1513.78,2952.76 1513.78,3033.86 P3.21@1553.15,3073.23
LTDC_DE: P2.26 P6.39 | length 2981.4
  L1 w8: P6.39@51.18,1189.37 102.17,1138.39 255.12,1138.39 461.22,1344.49 2808.66,1344.49 P2.26@2891.73,1261.42
LTDC_G0: P2.6 P6.19 | length 4475.4
  L1 w8: P6.19@51.18,2189.37 102.17,2138.39 1817.99,2138.39 1932.09,2252.49 v1(1932.09,2354.33)
  L4 w8: v1(1932.09,2354.33) 1942.56,2364.8 2617.95,2364.8 2944.36,2038.39 3270.67,2038.39 3679.13,1629.92 P2.6@3679.13,1261.42
LTDC_G1: P2.7 P6.20 | length 4320
  L1 w8: P6.20@151.18,2189.37 1812.4,2189.37 1889.76,2266.73 v1(1889.76,2324.8)
  L4 w8: v1(1889.76,2324.8) 2601.38,2324.8 2927.8,1998.39 3254.1,1998.39 3639.76,1612.72 3639.76,1222.05 P2.7@3600.39,1182.68
LTDC_G2: P2.50 P6.21 | length 2483.3
  L1 w8: P6.21@51.18,2089.37 102.17,2038.39 v1(1587.6,2038.39)
  L4 w8: v1(1587.6,2038.39) 1946.85,1679.13 P2.50@1946.85,1261.42
LTDC_G3: P3.33 P6.22 | length 2741.7
  L1 w8: P6.22@151.18,2089.37 1845.28,2089.37 1986.22,2230.32 1986.22,3023.62 P3.33@2025.1,3062.5
LTDC_G4: P3.36 P6.23 | length 3016.4
  L1 w8: P6.23@51.18,1989.37 102.17,1938.39 1909.84,1938.39 2104.33,2132.87 P3.36@2104.33,2994.49
LTDC_G5: P3.35 P6.24 | length 2908.5
  L1 w8: P6.24@151.18,1989.37 1885.04,1989.37 2064.96,2169.29 2064.96,3033.86 P3.35@2104.33,3073.23
LTDC_G6: P3.38 P6.25 | length 3164.9
  L1 w8: P6.25@51.18,1889.37 102.17,1838.39 1936.81,1838.39 2183.07,2084.65 P3.38@2183.07,2994.49
LTDC_G7: P3.41 P6.26 | length 3212.5
  L1 w8: P6.26@151.18,1889.37 1924.8,1889.37 2143.7,2108.27 2143.7,3017.72 2159.45,3033.46 2300.79,3033.46 P3.41@2340.55,3073.23
LTDC_HSYNC: P2.14 P6.37 | length 3446.7
  L1 w8: P6.37@51.18,1289.37 102.17,1238.39 278.74,1238.39 426.18,1385.83 3239.76,1385.83 P2.14@3364.17,1261.42
LTDC_R0: P2.37 P6.11 | length 3063.2
  L1 w8: P6.11@51.18,2589.37 102.17,2538.39 v1(717.52,2538.39)
  L4 w8: v1(717.52,2538.39) 911.42,2538.39 1223.33,2226.47 1506.79,2226.47 2301.18,1432.09 2301.18,1240.16 2318.9,1222.44 2379.53,1222.44 P2.37@2419.29,1182.68
LTDC_R1: P2.40 P6.12 | length 2849.5
  L1 w8: P6.12@151.18,2589.37 v1(717.52,2589.37)
  L4 w8: v1(717.52,2589.37) 917,2589.37 1239.9,2266.47 1523.36,2266.47 2339.57,1450.27 2339.57,1262.4 P2.40@2340.55,1261.42
LTDC_R2: P2.75 P6.13 | length 1922.8
  L1 w8: P6.13@51.18,2489.37 102.17,2438.39 v1(420.28,2438.39)
  L4 w8: v1(420.28,2438.39) 477.7,2438.39 588.86,2327.23 588.86,1650.75 805.12,1434.49 805.12,1241.14 823.37,1222.89 883.02,1222.89 P2.75@923.23,1182.68
LTDC_R3: P2.78 P6.14 | length 1709.7
  L1 w8: P6.14@151.18,2489.37 v1(420.28,2489.37)
  L4 w8: v1(420.28,2489.37) 483.29,2489.37 628.86,2343.8 628.86,1667.32 844.49,1451.69 P2.78@844.49,1261.42
LTDC_R4: P2.77 P6.15 | length 1782.4
  L1 w8: P6.15@51.18,2389.37 102.17,2338.39 v1(420.28,2338.39)
  L4 w8: v1(420.28,2338.39) 464.57,2338.39 508.86,2294.09 508.86,1617.62 713.83,1412.65 713.83,1247.79 739.17,1222.44 801.19,1222.44 P2.77@840.96,1182.68
LTDC_R5: P2.80 P6.16 | length 1569.4
  L1 w8: P6.16@151.18,2389.37 v1(420.28,2389.37)
  L4 w8: v1(420.28,2389.37) 470.15,2389.37 548.86,2310.66 548.86,1634.19 765.75,1417.3 P2.80@765.75,1261.42
LTDC_R6: P3.3 P6.17 | length 1645.7
  L1 w8: P6.17@51.18,2289.37 102.17,2238.39 782.68,2238.39 883.86,2339.57 883.86,3033.86 P3.3@844.49,3073.23
LTDC_R7: P3.20 P6.18 | length 1971.3
  L1 w8: P6.18@151.18,2289.37 v1(767.72,2289.37) ; v1(890.75,2289.37) 1376.97,2289.37 1474.41,2386.81 P3.20@1474.41,2994.49
  L4 w8: v1(767.72,2289.37) v1(890.75,2289.37)
LTDC_VSYNC: P2.13 P6.38 | length 3525.2
  L1 w8: P6.38@151.18,1289.37 255.12,1289.37 393.9,1428.15 3324.3,1428.15 3403.54,1348.9 3403.54,1222.05 P2.13@3364.17,1182.68
NetBT1_1: BT1.1 P7.3 | length 173.2
  L1 w40: BT1.1@3362.2,1613.39 P7.3@3535.43,1613.39
NetC1_1: C1.1 CN1.2 U1.14 | length 2599.3
  L1 w8: v1(3268.7,3610.24) 3295.12,3636.65 U1.14@3295.12,3707.36 ; v1(4946.29,3029.76) CN1.2@5025.59,3029.76 ; C1.1@5026.38,2930.94 5026.38,3029.76 CN1.2@5134.29,3029.76
  L4 w8: v1(3268.7,3610.24) 3293.62,3635.16 4274.16,3635.16 4335.91,3573.4 4335.91,3479.9 4371.91,3443.9 4893.7,3443.9 4946.29,3391.3 v1(4946.29,3029.76)
NetC1_2: C1.2 R1.1 | length 71.1
  L1 w8: R1.1@4888.35,2930.94 C1.2@4959.45,2930.94
NetC2_1: C2.1 CN1.1 U1.15 | length 2057.8
  L1 w8: v1@3314.8,3615 U1.15@3314.8,3707.36 ; C2.1@4464.72,3157.48 4559.25,3157.48 CN1.1@4573.27,3171.5 4573.27,3308.5 4613.43,3348.66 v1(4648.62,3348.66) CN1.1@4736.65,3348.66
  L4 w8: v1@3310.04,3609.25 4266.73,3609.25 4310.04,3565.94 4310.04,3468.5 4360.52,3418.02 4631.19,3418.02 4648.62,3400.59 v1(4648.62,3348.66)
  other v1: 3310.04,3610.24
NetC2_2: C2.2 R2.1 | length 71.1
  L1 w8: C2.2@4464.72,3224.41 R2.1@4464.72,3295.51
NetC5_2: C5.2 U1.10 | length 149.4
  L1 w8: C5.2@3054.13,3739.84 U1.10@3203.58,3739.84
NetC6_1: C6.1 U1.12 | length 416.4
  L1 w8: C6.1@2939.84,3653.54 3010.71,3582.68 3113.19,3582.68 3179.13,3648.62 3230.31,3648.62 3255.75,3674.05 U1.12@3255.75,3707.36
NetC6_2: C6.2 U1.11 | length 204.3
  L1 w8: C6.2@3054.02,3653.54 3129.92,3653.54 3183.74,3707.36 U1.11@3236.06,3707.36